# KiCad board Bus_Card.kicad_pcb (continued)
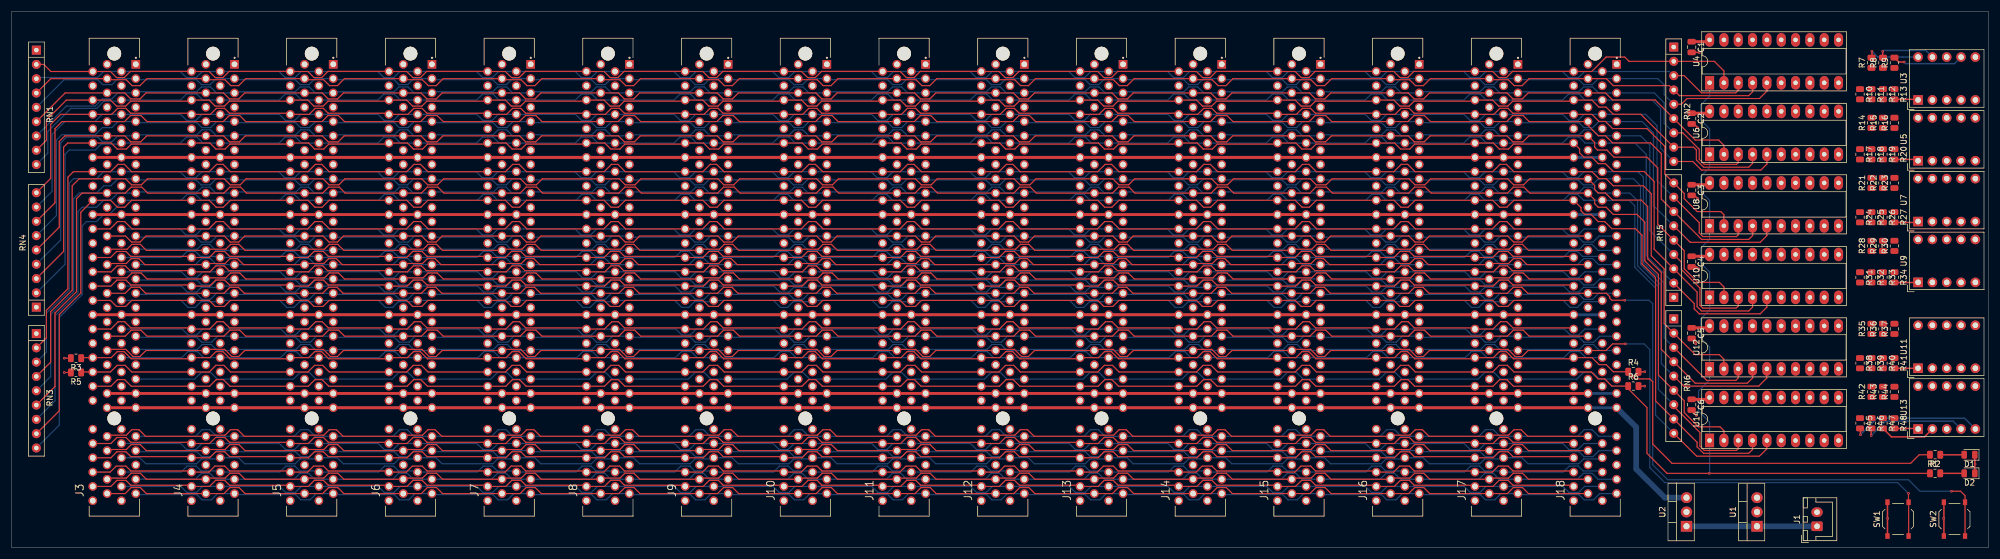
[diagram p0: board, top side]
## Nets (continued)
/~{IRQ_0.3}: J3.A30 J4.A30 J5.A30 J6.A30 J7.A30 J8.A30 J9.A30 J10.A30 J11.A30 J12.A30 J13.A30 J14.A30 J15.A30 J16.A30 J17.A30 J18.A30
/~{IRQ_0.4}: J3.A31 J4.A31 J5.A31 J6.A31 J7.A31 J8.A31 J9.A31 J10.A31 J11.A31 J12.A31 J13.A31 J14.A31 J15.A31 J16.A31 J17.A31 J18.A31
/~{IRQ_0.5}: J3.A32 J4.A32 J5.A32 J6.A32 J7.A32 J8.A32 J9.A32 J10.A32 J11.A32 J12.A32 J13.A32 J14.A32 J15.A32 J16.A32 J17.A32 J18.A32
/~{IRQ_0.6}: J3.A33 J4.A33 J5.A33 J6.A33 J7.A33 J8.A33 J9.A33 J10.A33 J11.A33 J12.A33 J13.A33 J14.A33 J15.A33 J16.A33 J17.A33 J18.A33
/~{IRQ_0.7}: J3.A34 J4.A34 J5.A34 J6.A34 J7.A34 J8.A34 J9.A34 J10.A34 J11.A34 J12.A34 J13.A34 J14.A34 J15.A34 J16.A34 J17.A34 J18.A34
/~{IRQ_0}: J3.B28 J4.B28 J5.B28 J6.B28 J7.B28 J8.B28 J9.B28 J10.B28 J11.B28 J12.B28 J13.B28 J14.B28 J15.B28 J16.B28 J17.B28 J18.B28
/~{IRQ_1}: J3.B29 J4.B29 J5.B29 J6.B29 J7.B29 J8.B29 J9.B29 J10.B29 J11.B29 J12.B29 J13.B29 J14.B29 J15.B29 J16.B29 J17.B29 J18.B29
/~{IRQ_2}: J3.B30 J4.B30 J5.B30 J6.B30 J7.B30 J8.B30 J9.B30 J10.B30 J11.B30 J12.B30 J13.B30 J14.B30 J15.B30 J16.B30 J17.B30 J18.B30
/~{IRQ_3}: J3.B31 J4.B31 J5.B31 J6.B31 J7.B31 J8.B31 J9.B31 J10.B31 J11.B31 J12.B31 J13.B31 J14.B31 J15.B31 J16.B31 J17.B31 J18.B31
/~{IRQ_4}: J3.B32 J4.B32 J5.B32 J6.B32 J7.B32 J8.B32 J9.B32 J10.B32 J11.B32 J12.B32 J13.B32 J14.B32 J15.B32 J16.B32 J17.B32 J18.B32
/~{IRQ}: J3.B27 J4.B27 J5.B27 J6.B27 J7.B27 J8.B27 J9.B27 J10.B27 J11.B27 J12.B27 J13.B27 J14.B27 J15.B27 J16.B27 J17.B27 J18.B27
/~{L_RAM}: J3.B24 J4.B24 J5.B24 J6.B24 J7.B24 J8.B24 J9.B24 J10.B24 J11.B24 J12.B24 J13.B24 J14.B24 J15.B24 J16.B24 J17.B24 J18.B24
/~{ML}: J3.B39 J4.B39 J5.B39 J6.B39 J7.B39 J8.B39 J9.B39 J10.B39 J11.B39 J12.B39 J13.B39 J14.B39 J15.B39 J16.B39 J17.B39 J18.B39
/~{NMI}: J3.B33 J4.B33 J5.B33 J6.B33 J7.B33 J8.B33 J9.B33 J10.B33 J11.B33 J12.B33 J13.B33 J14.B33 J15.B33 J16.B33 J17.B33 J18.B33 SW2.2
/~{RDY}: J3.A41 J4.A41 J5.A41 J6.A41 J7.A41 J8.A41 J9.A41 J10.A41 J11.A41 J12.A41 J13.A41 J14.A41 J15.A41 J16.A41 J17.A41 J18.A41
/~{RES}: J3.B41 J4.B41 J5.B41 J6.B41 J7.B41 J8.B41 J9.B41 J10.B41 J11.B41 J12.B41 J13.B41 J14.B41 J15.B41 J16.B41 J17.B41 J18.B41 SW1.2
/~{ROM}: J3.A25 J4.A25 J5.A25 J6.A25 J7.A25 J8.A25 J9.A25 J10.A25 J11.A25 J12.A25 J13.A25 J14.A25 J15.A25 J16.A25 J17.A25 J18.A25
/~{VP}: J3.B38 J4.B38 J5.B38 J6.B38 J7.B38 J8.B38 J9.B38 J10.B38 J11.B38 J12.B38 J13.B38 J14.B38 J15.B38 J16.B38 J17.B38 J18.B38
VDC: J1.1 U1.1 U2.1
Net-(D1-A): D1.2 R1.2
Net-(D2-A): D2.2 R2.2
Net-(U3-A): R7.2 U3.10
Net-(U3-B): R8.2 U3.9
Net-(U3-C): R9.2 U3.7
Net-(U3-D): R10.2 U3.5
Net-(U3-E): R11.2 U3.4
Net-(U3-F): R12.2 U3.2
Net-(U3-G): R13.2 U3.1
Net-(U4-I03): R9.1 U4.17
Net-(U4-IO1): R7.1 U4.19
Net-(U4-IO2): R8.1 U4.18
Net-(U4-IO4): R10.1 U4.16
Net-(U4-IO5): R11.1 U4.15
Net-(U4-IO6): R12.1 U4.14
Net-(U4-IO7): R13.1 U4.13
Net-(U5-A): R14.2 U5.10
Net-(U5-B): R15.2 U5.9
Net-(U5-C): R16.2 U5.7
Net-(U5-D): R17.2 U5.5
Net-(U5-E): R18.2 U5.4
Net-(U5-F): R19.2 U5.2
Net-(U5-G): R20.2 U5.1
Net-(U6-I03): R16.1 U6.17
Net-(U6-IO1): R14.1 U6.19
Net-(U6-IO2): R15.1 U6.18
Net-(U6-IO4): R17.1 U6.16
Net-(U6-IO5): R18.1 U6.15
Net-(U6-IO6): R19.1 U6.14
Net-(U6-IO7): R20.1 U6.13
Net-(U7-A): R21.2 U7.10
Net-(U7-B): R22.2 U7.9
Net-(U7-C): R23.2 U7.7
Net-(U7-D): R24.2 U7.5
Net-(U7-E): R25.2 U7.4
Net-(U7-F): R26.2 U7.2
Net-(U7-G): R27.2 U7.1
Net-(U8-I03): R23.1 U8.17
Net-(U8-IO1): R21.1 U8.19
Net-(U8-IO2): R22.1 U8.18
Net-(U8-IO4): R24.1 U8.16
Net-(U8-IO5): R25.1 U8.15
Net-(U8-IO6): R26.1 U8.14
Net-(U8-IO7): R27.1 U8.13
Net-(U9-A): R28.2 U9.10
Net-(U9-B): R29.2 U9.9
Net-(U9-C): R30.2 U9.7
Net-(U9-D): R31.2 U9.5
Net-(U9-E): R32.2 U9.4
Net-(U9-F): R33.2 U9.2
Net-(U9-G): R34.2 U9.1
Net-(U10-I03): R30.1 U10.17
Net-(U10-IO1): R28.1 U10.19
Net-(U10-IO2): R29.1 U10.18
Net-(U10-IO4): R31.1 U10.16
Net-(U10-IO5): R32.1 U10.15
Net-(U10-IO6): R33.1 U10.14
Net-(U10-IO7): R34.1 U10.13
Net-(U11-A): R35.2 U11.10
Net-(U11-B): R36.2 U11.9
Net-(U11-C): R37.2 U11.7
Net-(U11-D): R38.2 U11.5
Net-(U11-E): R39.2 U11.4
Net-(U11-F): R40.2 U11.2
Net-(U11-G): R41.2 U11.1
Net-(U12-I03): R37.1 U12.17
Net-(U12-IO1): R35.1 U12.19
Net-(U12-IO2): R36.1 U12.18
Net-(U12-IO4): R38.1 U12.16
Net-(U12-IO5): R39.1 U12.15
Net-(U12-IO6): R40.1 U12.14
Net-(U12-IO7): R41.1 U12.13
Net-(U13-A): R42.2 U13.10
Net-(U13-B): R43.2 U13.9
Net-(U13-C): R44.2 U13.7
Net-(U13-D): R45.2 U13.5
Net-(U13-E): R46.2 U13.4
Net-(U13-F): R47.2 U13.2
Net-(U13-G): R48.2 U13.1
Net-(U14-I03): R44.1 U14.17
Net-(U14-IO1): R42.1 U14.19
Net-(U14-IO2): R43.1 U14.18
Net-(U14-IO4): R45.1 U14.16
Net-(U14-IO5): R46.1 U14.15
Net-(U14-IO6): R47.1 U14.14
Net-(U14-IO7): R48.1 U14.13

Pads without a net: U3 6; U4 6 7 8 9 12; U5 6; U6 6 7 8 9 12; U7 6; U8 6 7 8 9 12; U9 6; U10 6 7 8 9 12; U11 6; U12 6 7 8 9 12; U13 6; U14 6 7 8 9 12

## Via types
v1: diameter 0.46, hole 0.2, Top to Bottom, 23 vias

## Routing (per net, layer and track width the routed paths; a pad name or vN(x,y) marks a point on that pad's centre or on a via; arc(x,y) is an arc through that point)
+5V: length 2119.9
  Top w0.5: J3.B14 J4.B14 J5.B14 J6.B14 J7.B14 J8.B14 J9.B14 J10.B14 J11.B14 J12.B14 J13.B14 J14.B14 J15.B14 J16.B14 J17.B14 J18.B14 ; C4.1 300.72,51.75 U10.20 ; C6.1 300.72,26.35 U14.20 ; U6.20 300.72,77.15 C2.1 ; J18.B22 J17.B22 J16.B22 J15.B22 J14.B22 J13.B22 J12.B22 J11.B22 J10.B22 J9.B22 J8.B22 J7.B22 J6.B22 J5.B22 J4.B22 J3.B22 ; U12.20 300.71,39.05 C5.1 ; J3.B47 J4.B47 J5.B47 J6.B47 J7.B47 J8.B47 J9.B47 J10.B47 J11.B47 J12.B47 J13.B47 J14.B47 J15.B47 J16.B47 J17.B47 J18.B47 ; J3.B36 J4.B36 J5.B36 J6.B36 J7.B36 J8.B36 J9.B36 J10.B36 J11.B36 J12.B36 J13.B36 J14.B36 J15.B36 J16.B36 J17.B36 J18.B36 ; U4.20 300.72,89.85 C1.1 ; U8.20 300.72,64.45 C3.1
  Bottom w0.5: J3.A22 J4.A22 J5.A22 J6.A22 J7.A22 J8.A22 J9.A22 J10.A22 J11.A22 J12.A22 J13.A22 J14.A22 J15.A22 J16.A22 J17.A22 J18.A22 ; J3.A47 J4.A47 J5.A47 J6.A47 J7.A47 J8.A47 J9.A47 J10.A47 J11.A47 J12.A47 J13.A47 J14.A47 J15.A47 J16.A47 J17.A47 J18.A47 ; J3.A36 J4.A36 J5.A36 J6.A36 J7.A36 J8.A36 J9.A36 J10.A36 J11.A36 J12.A36 J13.A36 J14.A36 J15.A36 J16.A36 J17.A36 J18.A36 ; J3.A14 J4.A14 J5.A14 J6.A14 J7.A14 J8.A14 J9.A14 J10.A14 J11.A14 J12.A14 J13.A14 J14.A14 J15.A14 J16.A14 J17.A14 J18.A14
+9V: length 548.3
  Top w0.5: J18.B49 J17.B49 J16.B49 J15.B49 J14.B49 J13.B49 J12.B49 J11.B49 J10.B49 J9.B49 J8.B49 J7.B49 J6.B49 J5.B49 J4.B49 J3.B49
  Bottom w0.5: J18.A49 J17.A49 J16.A49 J15.A49 J14.A49 J13.A49 J12.A49 J11.A49 J10.A49 J9.A49 J8.A49 J7.A49 J6.A49 J5.A49 J4.A49 J3.A49
  Bottom w1: U2.3 293.12,8.89 288.04,13.97 288.04,21.39 J18.A49
GND: length 28
  Top w0.2: R3.2 v1(9.4,33.65) ; R5.2 v1(9.4,31.11)
  Top w0.25: SW1.1 332.57,5.25 v1(332.61,5.21) 332.57,5.17 SW1.1 ; R4.2 v1(289.56,31.24) ; C2.2 298.26,75.25 v1(298.96,74.55) ; v1(299.08,49.53) 298.76,49.85 C4.2 ; D2.1 348.05,14.8 v1(348.11,14.86) 348.05,14.91 D1.1 ; C6.2 297.86,24.34 v1(298.7,23.49) ; C1.2 299.15,87.95 v1(299.21,87.88) ; SW2.1 342.57,5.15 v1(342.52,5.21) 342.57,5.26 SW2.1 ; C3.2 298.38,62.55 v1(298.96,61.98) ; C5.2 298.58,36.43 v1(298.58,36.19) ; R6.2 v1(289.56,28.7)
/A0: length 317.3
  Top w0.2: U4.2 303.58,84.66 301.88,86.36 RN2.2 286.77,86.36 286,87.12 282.7,87.12 280.14,84.56 J18.B2 276.93,84.58 266.13,84.58 265.05,83.49 263.64,83.49 262.58,84.56 J17.B2 259.43,84.58 248.63,84.58 247.55,83.49 246.14,83.49 245.08,84.56 J16.B2 241.93,84.58 231.13,84.58 230.05,83.49 228.64,83.49 227.58,84.56 J15.B2 224.43,84.58 213.63,84.58 212.55,83.49 211.14,83.49 210.08,84.56 J14.B2 206.93,84.58 196.13,84.58 195.05,83.49 193.64,83.49 192.58,84.56 J13.B2 189.43,84.58 178.63,84.58 177.55,83.49 176.14,83.49 175.08,84.56 J12.B2 171.93,84.58 161.13,84.58 160.05,83.49 158.64,83.49 157.58,84.56 J11.B2 154.43,84.58 143.63,84.58 142.55,83.49 141.14,83.49 140.08,84.56 J10.B2 136.93,84.58 126.13,84.58 125.05,83.49 123.64,83.49 122.58,84.56 J9.B2 119.43,84.58 108.63,84.58 107.55,83.49 106.14,83.49 105.08,84.56 J8.B2 101.93,84.58 91.13,84.58 90.05,83.49 88.64,83.49 87.58,84.56 J7.B2 84.42,84.58 73.63,84.58 72.55,83.49 71.14,83.49 70.08,84.56 J6.B2 66.92,84.58 56.13,84.58 55.05,83.49 53.64,83.49 52.58,84.56 J5.B2 49.42,84.58 38.63,84.58 37.55,83.49 36.14,83.49 35.08,84.56 J4.B2 31.92,84.58 21.13,84.58 20.05,83.49 18.64,83.49 17.58,84.56 J3.B2 7.01,84.56 5.76,85.81 RN1.2
/A1: length 318.5
  Top w0.2: RN2.3 296.55,83.82 299.59,80.77 305.69,80.77 306.12,81.2 U4.3
  Bottom w0.2: RN2.3 293.95,84.56 J18.A2 278.88,84.56 277.81,83.49 276.03,83.49 274.96,84.56 J17.A2 261.38,84.56 260.31,83.49 258.53,83.49 257.46,84.56 J16.A2 243.88,84.56 242.81,83.49 241.03,83.49 239.96,84.56 J15.A2 226.38,84.56 225.31,83.49 223.53,83.49 222.46,84.56 J14.A2 208.88,84.56 207.81,83.49 206.03,83.49 204.96,84.56 J13.A2 191.38,84.56 190.31,83.49 188.53,83.49 187.46,84.56 J12.A2 173.88,84.56 172.81,83.49 171.03,83.49 169.96,84.56 J11.A2 156.38,84.56 155.31,83.49 153.53,83.49 152.46,84.56 J10.A2 138.88,84.56 137.81,83.49 136.03,83.49 134.96,84.56 J9.A2 121.38,84.56 120.31,83.49 118.53,83.49 117.46,84.56 J8.A2 103.88,84.56 102.81,83.49 101.03,83.49 99.96,84.56 J7.A2 86.38,84.56 85.31,83.49 83.53,83.49 82.46,84.56 J6.A2 68.88,84.56 67.81,83.49 66.03,83.49 64.96,84.56 J5.A2 51.38,84.56 50.31,83.49 48.53,83.49 47.46,84.56 J4.A2 33.88,84.56 32.81,83.49 31.03,83.49 29.96,84.56 J3.A2 16.36,84.56 15.3,83.49 4.67,83.49 RN1.3
/A2: length 323.9
  Top w0.2: U4.4 308.66,80.95 307.98,80.26 295.7,80.26 RN2.4 293.93,82.04 283.97,82.04 282.72,83.29 J18.B3 269.06,83.29 267.81,82.04 266.42,82.04 265.37,83.09 262.18,83.09 J17.B3 251.56,83.29 250.31,82.04 248.92,82.04 247.87,83.09 244.68,83.09 J16.B3 234.06,83.29 232.81,82.04 231.42,82.04 230.37,83.09 227.18,83.09 J15.B3 216.56,83.29 215.31,82.04 213.92,82.04 212.87,83.09 209.68,83.09 J14.B3 199.06,83.29 197.81,82.04 196.42,82.04 195.37,83.09 192.18,83.09 J13.B3 181.56,83.29 180.31,82.04 178.92,82.04 177.87,83.09 174.68,83.09 J12.B3 164.06,83.29 162.81,82.04 161.42,82.04 160.37,83.09 157.18,83.09 J11.B3 146.56,83.29 145.31,82.04 143.92,82.04 142.87,83.09 139.68,83.09 J10.B3 129.06,83.29 127.81,82.04 126.42,82.04 125.37,83.09 122.18,83.09 J9.B3 111.56,83.29 110.31,82.04 108.92,82.04 107.87,83.09 104.68,83.09 J8.B3 94.06,83.29 92.81,82.04 91.42,82.04 90.37,83.09 87.18,83.09 J7.B3 76.56,83.29 75.31,82.04 73.92,82.04 72.87,83.09 69.68,83.09 J6.B3 59.06,83.29 57.81,82.04 56.42,82.04 55.37,83.09 52.18,83.09 J5.B3 41.56,83.29 40.31,82.04 38.92,82.04 37.87,83.09 34.68,83.09 J4.B3 24.06,83.29 22.81,82.04 21.42,82.04 20.37,83.09 17.18,83.09 J3.B3 7.01,83.29 RN1.4
/A3: length 328.2
  Top w0.2: RN2.5 296.04,78.74 297.05,79.76 309.88,79.76 311.2,81.08 U4.5
  Bottom w0.2: RN2.5 292.99,80.44 292.99,82.17 291.87,83.29 J18.A3 281.33,83.29 280.26,82.22 278.72,82.22 277.85,83.09 267.26,83.09 J17.A3 263.83,83.29 262.76,82.22 261.22,82.22 260.35,83.09 249.76,83.09 J16.A3 246.33,83.29 245.26,82.22 243.72,82.22 242.85,83.09 232.26,83.09 J15.A3 228.83,83.29 227.76,82.22 226.22,82.22 225.35,83.09 214.76,83.09 J14.A3 211.33,83.29 210.27,82.22 208.72,82.22 207.85,83.09 197.26,83.09 J13.A3 193.83,83.29 192.77,82.22 191.22,82.22 190.35,83.09 179.76,83.09 J12.A3 176.33,83.29 175.27,82.22 173.72,82.22 172.85,83.09 162.26,83.09 J11.A3 158.83,83.29 157.77,82.22 156.22,82.22 155.35,83.09 144.76,83.09 J10.A3 141.33,83.29 140.27,82.22 138.72,82.22 137.85,83.09 127.26,83.09 J9.A3 123.83,83.29 122.77,82.22 121.22,82.22 120.35,83.09 109.76,83.09 J8.A3 106.33,83.29 105.27,82.22 103.72,82.22 102.85,83.09 92.26,83.09 J7.A3 88.83,83.29 87.77,82.22 86.22,82.22 85.35,83.09 74.76,83.09 J6.A3 71.33,83.29 70.27,82.22 68.72,82.22 67.85,83.09 57.26,83.09 J5.A3 53.83,83.29 52.77,82.22 51.22,82.22 50.35,83.09 39.76,83.09 J4.A3 36.33,83.29 35.27,82.22 33.72,82.22 32.85,83.09 22.26,83.09 J3.A3 18.9,83.29 17.84,82.22 16.2,82.22 15.34,83.08 9.34,83.08 RN1.5
/A4: length 319.9
  Top w0.2: RN1.6 9.55,80.75 J3.B5 20.12,80.75 21.18,79.68 22.82,79.68 23.88,80.75 J4.B5 37.62,80.75 38.68,79.68 40.32,79.68 41.38,80.75 J5.B5 55.12,80.75 56.18,79.68 57.82,79.68 58.88,80.75 J6.B5 72.62,80.75 73.68,79.68 75.32,79.68 76.38,80.75 J7.B5 90.12,80.75 91.18,79.68 92.82,79.68 93.88,80.75 J8.B5 107.62,80.75 108.68,79.68 110.32,79.68 111.38,80.75 J9.B5 125.12,80.75 126.18,79.68 127.82,79.68 128.88,80.75 J10.B5 142.62,80.75 143.68,79.68 145.32,79.68 146.38,80.75 J11.B5 160.12,80.75 161.18,79.68 162.82,79.68 163.88,80.75 J12.B5 177.62,80.75 178.68,79.68 180.32,79.68 181.38,80.75 J13.B5 195.12,80.75 196.18,79.68 197.82,79.68 198.88,80.75 J14.B5 212.62,80.75 213.68,79.68 215.32,79.68 216.38,80.75 J15.B5 230.12,80.75 231.18,79.68 232.82,79.68 233.88,80.75 J16.B5 247.62,80.75 248.68,79.68 250.32,79.68 251.38,80.75 J17.B5 265.12,80.75 266.18,79.68 267.82,79.68 268.88,80.75 J18.B5 282.6,80.75 283.85,79.5 291.38,79.5 RN2.6 298.5,72.39 302.64,72.39 303.58,71.45 U6.2
/A5: length 328.1
  Top w0.2: RN2.7 296.29,73.66 299.21,70.74 299.21,68.96 300.1,68.07 305.82,68.07 306.12,68.38 U6.3
  Bottom w0.2: RN1.7 9.78,78.44 9.81,78.41 14.89,78.41 16.16,79.68 17.84,79.68 18.9,80.75 J3.A5 22.27,80.95 32.85,80.95 33.71,81.81 35.31,81.81 36.37,80.75 J4.A5 39.77,80.95 50.35,80.95 51.21,81.81 52.81,81.81 53.87,80.75 J5.A5 57.27,80.95 67.85,80.95 68.71,81.81 70.31,81.81 71.37,80.75 J6.A5 74.77,80.95 85.35,80.95 86.21,81.81 87.81,81.81 88.87,80.75 J7.A5 92.27,80.95 102.85,80.95 103.71,81.81 105.31,81.81 106.37,80.75 J8.A5 109.77,80.95 120.35,80.95 121.21,81.81 122.81,81.81 123.87,80.75 J9.A5 127.27,80.95 137.85,80.95 138.71,81.81 140.31,81.81 141.37,80.75 J10.A5 144.77,80.95 155.35,80.95 156.21,81.81 157.81,81.81 158.87,80.75 J11.A5 162.27,80.95 172.85,80.95 173.71,81.81 175.31,81.81 176.37,80.75 J12.A5 179.77,80.95 190.35,80.95 191.21,81.81 192.81,81.81 193.87,80.75 J13.A5 197.27,80.95 207.85,80.95 208.71,81.81 210.31,81.81 211.37,80.75 J14.A5 214.77,80.95 225.35,80.95 226.21,81.81 227.81,81.81 228.87,80.75 J15.A5 232.27,80.95 242.85,80.95 243.71,81.81 245.31,81.81 246.37,80.75 J16.A5 249.77,80.95 260.35,80.95 261.21,81.81 262.81,81.81 263.87,80.75 J17.A5 267.27,80.95 277.85,80.95 278.71,81.81 280.31,81.81 281.37,80.75 J18.A5 291.23,80.75 292.99,78.99 292.99,75.36 RN2.7
/A6: length 331.1
  Top w0.2: U6.4 308.66,68.25 307.98,67.56 299.97,67.56 298.7,68.83 298.7,70.61 298.2,71.12 RN2.8 288.85,76.96 283.97,76.96 282.7,78.23 281.43,78.23 280.18,79.48 J18.B6 276.75,79.28 266.15,79.28 265.28,78.41 263.64,78.41 262.58,79.48 J17.B6 259.25,79.28 248.65,79.28 247.78,78.41 246.14,78.41 245.08,79.48 J16.B6 241.75,79.28 231.15,79.28 230.28,78.41 228.64,78.41 227.58,79.48 J15.B6 224.25,79.28 213.65,79.28 212.78,78.41 211.14,78.41 210.08,79.48 J14.B6 206.75,79.28 196.15,79.28 195.28,78.41 193.64,78.41 192.58,79.48 J13.B6 189.25,79.28 178.65,79.28 177.78,78.41 176.14,78.41 175.08,79.48 J12.B6 171.75,79.28 161.15,79.28 160.28,78.41 158.64,78.41 157.58,79.48 J11.B6 154.25,79.28 143.65,79.28 142.78,78.41 141.14,78.41 140.08,79.48 J10.B6 136.75,79.28 126.15,79.28 125.28,78.41 123.64,78.41 122.58,79.48 J9.B6 119.25,79.28 108.65,79.28 107.78,78.41 106.14,78.41 105.08,79.48 J8.B6 101.75,79.28 91.15,79.28 90.28,78.41 88.64,78.41 87.58,79.48 J7.B6 84.25,79.28 73.65,79.28 72.78,78.41 71.14,78.41 70.08,79.48 J6.B6 66.75,79.28 56.15,79.28 55.28,78.41 53.64,78.41 52.58,79.48 J5.B6 49.25,79.28 38.65,79.28 37.78,78.41 36.14,78.41 35.08,79.48 J4.B6 31.75,79.28 21.15,79.28 20.28,78.41 18.64,78.41 17.58,79.48 J3.B6 9.76,79.48 6.22,75.95 6.22,72.35 RN1.8
/A7: length 338.4
  Top w0.2: U6.5 311.2,68.12 310.13,67.06 299.59,67.06 298.07,68.58 RN2.9
  Bottom w0.2: RN1.9 6.48,70.06 6.48,73.91 10.57,78 15.14,78 16.42,79.28 19.33,79.28 J3.A6 29.98,79.48 31.05,80.54 32.9,80.54 33.96,79.48 J4.A6 47.48,79.48 48.55,80.54 50.4,80.54 51.46,79.48 J5.A6 64.98,79.48 66.05,80.54 67.9,80.54 68.96,79.48 J6.A6 82.48,79.48 83.55,80.54 85.4,80.54 86.46,79.48 J7.A6 99.98,79.48 101.05,80.54 102.9,80.54 103.96,79.48 J8.A6 117.48,79.48 118.55,80.54 120.4,80.54 121.46,79.48 J9.A6 134.98,79.48 136.05,80.54 137.9,80.54 138.96,79.48 J10.A6 152.48,79.48 153.55,80.54 155.4,80.54 156.46,79.48 J11.A6 169.98,79.48 171.05,80.54 172.9,80.54 173.96,79.48 J12.A6 187.48,79.48 188.55,80.54 190.4,80.54 191.46,79.48 J13.A6 204.98,79.48 206.05,80.54 207.9,80.54 208.96,79.48 J14.A6 222.48,79.48 223.55,80.54 225.4,80.54 226.46,79.48 J15.A6 239.98,79.48 241.05,80.54 242.9,80.54 243.96,79.48 J16.A6 257.48,79.48 258.55,80.54 260.4,80.54 261.46,79.48 J17.A6 274.98,79.48 276.05,80.54 277.9,80.54 278.96,79.48 J18.A6 290.85,79.48 292.35,77.98 292.35,70.91 RN2.9
/A8: length 336.7
  Top w0.2: U8.2 303.58,59.13 303.02,59.69 298.83,59.69 296.55,61.98 296.55,62.91 RN5.9 293.12,66.34 293.12,71.25 289.94,74.42 283.85,74.42 282.57,75.69 281.43,75.69 280.18,76.94 J18.B8 276.74,77.14 266.18,77.14 265.31,78.01 263.86,78.01 262.79,76.94 J17.B8 259.24,77.14 248.68,77.14 247.81,78.01 246.36,78.01 245.29,76.94 J16.B8 241.74,77.14 231.18,77.14 230.31,78.01 228.86,78.01 227.79,76.94 J15.B8 224.24,77.14 213.68,77.14 212.81,78.01 211.36,78.01 210.29,76.94 J14.B8 206.74,77.14 196.18,77.14 195.31,78.01 193.86,78.01 192.79,76.94 J13.B8 189.24,77.14 178.68,77.14 177.81,78.01 176.36,78.01 175.29,76.94 J12.B8 171.74,77.14 161.18,77.14 160.31,78.01 158.86,78.01 157.79,76.94 J11.B8 154.24,77.14 143.68,77.14 142.81,78.01 141.36,78.01 140.29,76.94 J10.B8 136.74,77.14 126.18,77.14 125.31,78.01 123.86,78.01 122.79,76.94 J9.B8 119.24,77.14 108.68,77.14 107.81,78.01 106.36,78.01 105.29,76.94 J8.B8 101.74,77.14 91.18,77.14 90.31,78.01 88.86,78.01 87.79,76.94 J7.B8 84.24,77.14 73.68,77.14 72.81,78.01 71.36,78.01 70.29,76.94 J6.B8 66.74,77.14 56.18,77.14 55.31,78.01 53.86,78.01 52.79,76.94 J5.B8 49.24,77.14 38.68,77.14 37.81,78.01 36.36,78.01 35.29,76.94 J4.B8 31.74,77.14 21.18,77.14 20.31,78.01 18.86,78.01 17.79,76.94 J3.B8 8.74,76.94 6.98,75.18 6.98,65.57 RN4.9
/A9: length 345.1
  Top w0.2: RN5.8 299.21,57.7 299.21,55.88 299.85,55.24 305.82,55.24 306.12,55.55 U8.3
  Bottom w0.2: RN5.8 291.72,65.2 291.72,74.93 289.71,76.94 J18.A8 278.79,76.94 277.73,75.87 276.09,75.87 275.02,76.94 J17.A8 261.29,76.94 260.23,75.87 258.59,75.87 257.52,76.94 J16.A8 243.79,76.94 242.73,75.87 241.09,75.87 240.02,76.94 J15.A8 226.29,76.94 225.23,75.87 223.59,75.87 222.52,76.94 J14.A8 208.79,76.94 207.72,75.87 206.09,75.87 205.02,76.94 J13.A8 191.29,76.94 190.22,75.87 188.59,75.87 187.52,76.94 J12.A8 173.79,76.94 172.72,75.87 171.09,75.87 170.02,76.94 J11.A8 156.29,76.94 155.22,75.87 153.59,75.87 152.52,76.94 J10.A8 138.79,76.94 137.72,75.87 136.09,75.87 135.02,76.94 J9.A8 121.29,76.94 120.22,75.87 118.59,75.87 117.52,76.94 J8.A8 103.79,76.94 102.72,75.87 101.09,75.87 100.02,76.94 J7.A8 86.29,76.94 85.22,75.87 83.59,75.87 82.52,76.94 J6.A8 68.79,76.94 67.73,75.87 66.09,75.87 65.02,76.94 J5.A8 51.29,76.94 50.23,75.87 48.59,75.87 47.52,76.94 J4.A8 33.79,76.94 32.73,75.87 31.09,75.87 30.02,76.94 J3.A8 16.11,76.94 14.86,75.69 9.53,75.69 7.24,73.41 7.24,63.28 RN4.8
/A10: length 348.3
  Top w0.2: RN4.7 7.75,61.25 7.75,74.42 9,75.67 J3.B9 20.07,75.67 21.14,76.73 22.99,76.73 24.06,75.67 J4.B9 37.57,75.67 38.64,76.73 40.49,76.73 41.56,75.67 J5.B9 55.07,75.67 56.14,76.73 57.99,76.73 59.06,75.67 J6.B9 72.57,75.67 73.64,76.73 75.49,76.73 76.56,75.67 J7.B9 90.07,75.67 91.14,76.73 92.99,76.73 94.06,75.67 J8.B9 107.57,75.67 108.64,76.73 110.49,76.73 111.56,75.67 J9.B9 125.07,75.67 126.14,76.73 127.99,76.73 129.06,75.67 J10.B9 142.57,75.67 143.64,76.73 145.49,76.73 146.56,75.67 J11.B9 160.07,75.67 161.14,76.73 162.99,76.73 164.06,75.67 J12.B9 177.57,75.67 178.64,76.73 180.49,76.73 181.56,75.67 J13.B9 195.07,75.67 196.14,76.73 197.99,76.73 199.06,75.67 J14.B9 212.57,75.67 213.64,76.73 215.49,76.73 216.56,75.67 J15.B9 230.07,75.67 231.14,76.73 232.99,76.73 234.06,75.67 J16.B9 247.57,75.67 248.64,76.73 250.49,76.73 251.56,75.67 J17.B9 265.07,75.67 266.14,76.73 267.99,76.73 269.06,75.67 J18.B9 279.49,74.97 281.31,73.15 282.57,73.15 283.85,71.88 290.58,71.88 292.48,69.98 292.48,61.9 RN5.7 299.64,54.74 307.98,54.74 308.66,55.42 U8.4
/A11: length 354.9
  Top w0.2: U8.5 311.2,55.42 310.01,54.23 297.61,54.23 RN5.6
  Bottom w0.2: RN5.6 291.08,60.75 291.08,73.66 289.07,75.67 J18.A9 281.42,75.67 280.35,74.6 278.76,74.6 277.9,75.46 267.27,75.46 J17.A9 263.92,75.67 262.85,74.6 261.26,74.6 260.4,75.46 249.77,75.46 J16.A9 246.42,75.67 245.35,74.6 243.76,74.6 242.9,75.46 232.27,75.46 J15.A9 228.92,75.67 227.85,74.6 226.26,74.6 225.4,75.46 214.77,75.46 J14.A9 211.42,75.67 210.35,74.6 208.76,74.6 207.9,75.46 197.27,75.46 J13.A9 193.92,75.67 192.85,74.6 191.26,74.6 190.4,75.46 179.77,75.46 J12.A9 176.42,75.67 175.35,74.6 173.76,74.6 172.9,75.46 162.27,75.46 J11.A9 158.92,75.67 157.85,74.6 156.26,74.6 155.4,75.46 144.77,75.46 J10.A9 141.42,75.67 140.35,74.6 138.76,74.6 137.9,75.46 127.27,75.46 J9.A9 123.92,75.67 122.85,74.6 121.26,74.6 120.4,75.46 109.77,75.46 J8.A9 106.42,75.67 105.35,74.6 103.76,74.6 102.9,75.46 92.27,75.46 J7.A9 88.92,75.67 87.85,74.6 86.26,74.6 85.4,75.46 74.77,75.46 J6.A9 71.42,75.67 70.35,74.6 68.76,74.6 67.9,75.46 57.27,75.46 J5.A9 53.92,75.67 52.85,74.6 51.26,74.6 50.4,75.46 39.77,75.46 J4.A9 36.42,75.67 35.35,74.6 33.76,74.6 32.9,75.46 22.27,75.46 J3.A9 18.9,75.67 17.84,74.6 16.16,74.6 14.89,73.33 8.95,73.33 8,72.39 8,58.96 RN4.6
/A12: length 350.9
  Top w0.2: U10.2 303.58,46.3 302.77,47.12 298.96,47.12 296.55,49.53 296.55,52.75 RN5.5 291.85,57.45 291.85,67.44 289.94,69.34 284.1,69.34 282.83,70.61 281.18,70.61 280.67,71.12 280.67,71.95 J18.B11 269.01,73.13 267.95,72.06 266.18,72.06 265.12,73.13 J17.B11 251.51,73.13 250.45,72.06 248.68,72.06 247.62,73.13 J16.B11 234.01,73.13 232.95,72.06 231.18,72.06 230.12,73.13 J15.B11 216.51,73.13 215.45,72.06 213.68,72.06 212.62,73.13 J14.B11 199.01,73.13 197.95,72.06 196.18,72.06 195.12,73.13 J13.B11 181.51,73.13 180.45,72.06 178.68,72.06 177.62,73.13 J12.B11 164.01,73.13 162.95,72.06 161.18,72.06 160.12,73.13 J11.B11 146.51,73.13 145.45,72.06 143.68,72.06 142.62,73.13 J10.B11 129.01,73.13 127.95,72.06 126.18,72.06 125.12,73.13 J9.B11 111.51,73.13 110.45,72.06 108.68,72.06 107.62,73.13 J8.B11 94.01,73.13 92.95,72.06 91.18,72.06 90.12,73.13 J7.B11 76.51,73.13 75.45,72.06 73.68,72.06 72.62,73.13 J6.B11 59.01,73.13 57.95,72.06 56.18,72.06 55.12,73.13 J5.B11 41.51,73.13 40.45,72.06 38.68,72.06 37.62,73.13 J4.B11 24.01,73.13 22.95,72.06 21.18,72.06 20.12,73.13 J3.B11 9.5,73.13 8.51,72.14 8.51,56.93 RN4.5
/A13: length 361
  Top w0.2: RN5.4 296.04,50.72 296.04,49.4 299.34,46.1 299.34,43.05 299.85,42.54 305.74,42.54 306.12,42.93 U10.3
  Bottom w0.2: RN4.4 8.76,54.65 8.76,71.88 9.8,72.91 15.35,72.91 16.2,72.06 17.84,72.06 18.9,73.13 J3.A11 22.25,73.31 32.92,73.31 33.8,74.19 35.31,74.19 36.37,73.13 J4.A11 39.75,73.31 50.42,73.31 51.3,74.19 52.81,74.19 53.87,73.13 J5.A11 57.25,73.31 67.92,73.31 68.8,74.19 70.31,74.19 71.37,73.13 J6.A11 74.75,73.31 85.42,73.31 86.3,74.19 87.81,74.19 88.87,73.13 J7.A11 92.25,73.31 102.92,73.31 103.8,74.19 105.31,74.19 106.37,73.13 J8.A11 109.75,73.31 120.42,73.31 121.3,74.19 122.81,74.19 123.87,73.13 J9.A11 127.25,73.31 137.92,73.31 138.8,74.19 140.31,74.19 141.37,73.13 J10.A11 144.75,73.31 155.42,73.31 156.3,74.19 157.81,74.19 158.87,73.13 J11.A11 162.25,73.31 172.92,73.31 173.8,74.19 175.31,74.19 176.37,73.13 J12.A11 179.75,73.31 190.42,73.31 191.3,74.19 192.81,74.19 193.87,73.13 J13.A11 197.25,73.31 207.92,73.31 208.8,74.19 210.31,74.19 211.37,73.13 J14.A11 214.75,73.31 225.42,73.31 226.3,74.19 227.81,74.19 228.87,73.13 J15.A11 232.25,73.31 242.92,73.31 243.8,74.19 245.31,74.19 246.37,73.13 J16.A11 249.75,73.31 260.42,73.31 261.3,74.19 262.81,74.19 263.87,73.13 J17.A11 267.25,73.31 277.92,73.31 278.8,74.19 280.31,74.19 281.37,73.13 J18.A11 288.82,73.13 290.45,71.5 290.45,56.31 RN5.4
/A14: length 361.6
  Top w0.2: U10.4 308.66,42.72 307.98,42.04 299.59,42.04 298.83,42.8 298.83,45.39 RN5.3 291.21,53.01 291.21,65.02 289.43,66.8 283.97,66.8 282.57,68.2 281.31,68.2 280.16,69.34 278.76,69.34 278,70.1 278,70.79 J18.B12 276.76,71.66 266.28,71.66 265.4,70.78 263.78,70.78 262.71,71.85 J17.B12 259.26,71.66 248.78,71.66 247.9,70.78 246.28,70.78 245.21,71.85 J16.B12 241.76,71.66 231.28,71.66 230.4,70.78 228.78,70.78 227.71,71.85 J15.B12 224.26,71.66 213.78,71.66 212.9,70.78 211.28,70.78 210.22,71.85 J14.B12 206.76,71.66 196.28,71.66 195.4,70.78 193.78,70.78 192.72,71.85 J13.B12 189.26,71.66 178.78,71.66 177.9,70.78 176.28,70.78 175.22,71.85 J12.B12 171.76,71.66 161.28,71.66 160.4,70.78 158.78,70.78 157.72,71.85 J11.B12 154.26,71.66 143.78,71.66 142.9,70.78 141.28,70.78 140.22,71.85 J10.B12 136.76,71.66 126.28,71.66 125.4,70.78 123.78,70.78 122.72,71.85 J9.B12 119.26,71.66 108.78,71.66 107.9,70.78 106.28,70.78 105.22,71.85 J8.B12 101.76,71.66 91.28,71.66 90.4,70.78 88.78,70.78 87.72,71.85 J7.B12 84.26,71.66 73.78,71.66 72.9,70.78 71.28,70.78 70.22,71.85 J6.B12 66.76,71.66 56.28,71.66 55.4,70.78 53.78,70.78 52.72,71.85 J5.B12 49.26,71.66 38.78,71.66 37.9,70.78 36.28,70.78 35.22,71.85 J4.B12 31.76,71.66 21.28,71.66 20.4,70.78 18.78,70.78 17.72,71.85 J3.B12 10,71.85 9.27,71.12 9.27,52.61 RN4.3
/A15: length 368.3
  Top w0.2: RN5.2 298.32,43.35 298.32,42.42 299.21,41.53 310.01,41.53 311.2,42.72 U10.5
  Bottom w0.2: RN4.2 9.53,50.33 9.53,69.85 10.29,70.61 14.86,70.61 15.91,71.66 19.34,71.66 J3.A12 29.97,71.85 31.03,72.91 32.91,72.91 33.97,71.85 J4.A12 47.47,71.85 48.53,72.91 50.41,72.91 51.47,71.85 J5.A12 64.97,71.85 66.03,72.91 67.91,72.91 68.97,71.85 J6.A12 82.47,71.85 83.53,72.91 85.41,72.91 86.47,71.85 J7.A12 99.97,71.85 101.03,72.91 102.91,72.91 103.97,71.85 J8.A12 117.47,71.85 118.53,72.91 120.41,72.91 121.47,71.85 J9.A12 134.97,71.85 136.03,72.91 137.91,72.91 138.97,71.85 J10.A12 152.47,71.85 153.53,72.91 155.41,72.91 156.47,71.85 J11.A12 169.97,71.85 171.03,72.91 172.91,72.91 173.97,71.85 J12.A12 187.47,71.85 188.53,72.91 190.41,72.91 191.47,71.85 J13.A12 204.97,71.85 206.03,72.91 207.91,72.91 208.97,71.85 J14.A12 222.47,71.85 223.54,72.91 225.41,72.91 226.47,71.85 J15.A12 239.97,71.85 241.04,72.91 242.91,72.91 243.97,71.85 J16.A12 257.47,71.85 258.54,72.91 260.41,72.91 261.47,71.85 J17.A12 274.97,71.85 276.04,72.91 277.91,72.91 278.97,71.85 J18.A12 287.81,71.85 289.81,69.85 289.81,51.86 RN5.2
/CLK: length 431.1
  Top w0.2: R2.1 v1(300.99,13.21) 293.5,13.21 289.94,16.76 289.94,24.89 286.62,28.22 R6.1 283.72,28.7 282.45,29.97 281.31,29.97 280.07,31.21 J18.B44 266.37,31.21 265.19,32.38 263.76,32.38 262.59,31.21 J17.B44 248.87,31.21 247.69,32.38 246.26,32.38 245.09,31.21 J16.B44 231.37,31.21 230.19,32.38 228.76,32.38 227.59,31.21 J15.B44 213.87,31.21 212.69,32.38 211.26,32.38 210.09,31.21 J14.B44 196.37,31.21 195.19,32.38 193.76,32.38 192.59,31.21 J13.B44 178.87,31.21 177.69,32.38 176.26,32.38 175.09,31.21 J12.B44 161.37,31.21 160.19,32.38 158.76,32.38 157.59,31.21 J11.B44 143.87,31.21 142.69,32.38 141.26,32.38 140.09,31.21 J10.B44 126.37,31.21 125.19,32.38 123.76,32.38 122.59,31.21 J9.B44 108.87,31.21 107.69,32.38 106.26,32.38 105.09,31.21 J8.B44 91.37,31.21 90.19,32.38 88.76,32.38 87.59,31.21 J7.B44 73.87,31.21 72.69,32.38 71.26,32.38 70.09,31.21 J6.B44 56.37,31.21 55.19,32.38 53.76,32.38 52.59,31.21 J5.B44 38.87,31.21 37.69,32.38 36.26,32.38 35.09,31.21 J4.B44 21.37,31.21 20.19,32.38 18.76,32.38 17.59,31.21 J3.B44 12.48,31.21 R5.1
  Bottom w0.2: v1(300.99,13.21) 301.04,13.25 U14.1 301.04,22.3 299.08,24.26 299.08,27.81 301.04,29.76 U12.1 301.04,35.64 299.47,37.21 299.47,40.64 301.04,42.22 U10.1 301.04,48.97 299.47,50.55 299.47,53.21 301.04,54.78 U8.1 301.04,61.67 299.47,63.25 299.47,65.91 301.04,67.49 U6.1 301.04,74.37 299.47,75.95 299.47,78.61 301.04,80.19 U4.1
